# Allegro board 1140022-KU060_PCIE_FIBER_BOARD_V001_pcb166_20240120_1835_pcb.brd (continued)
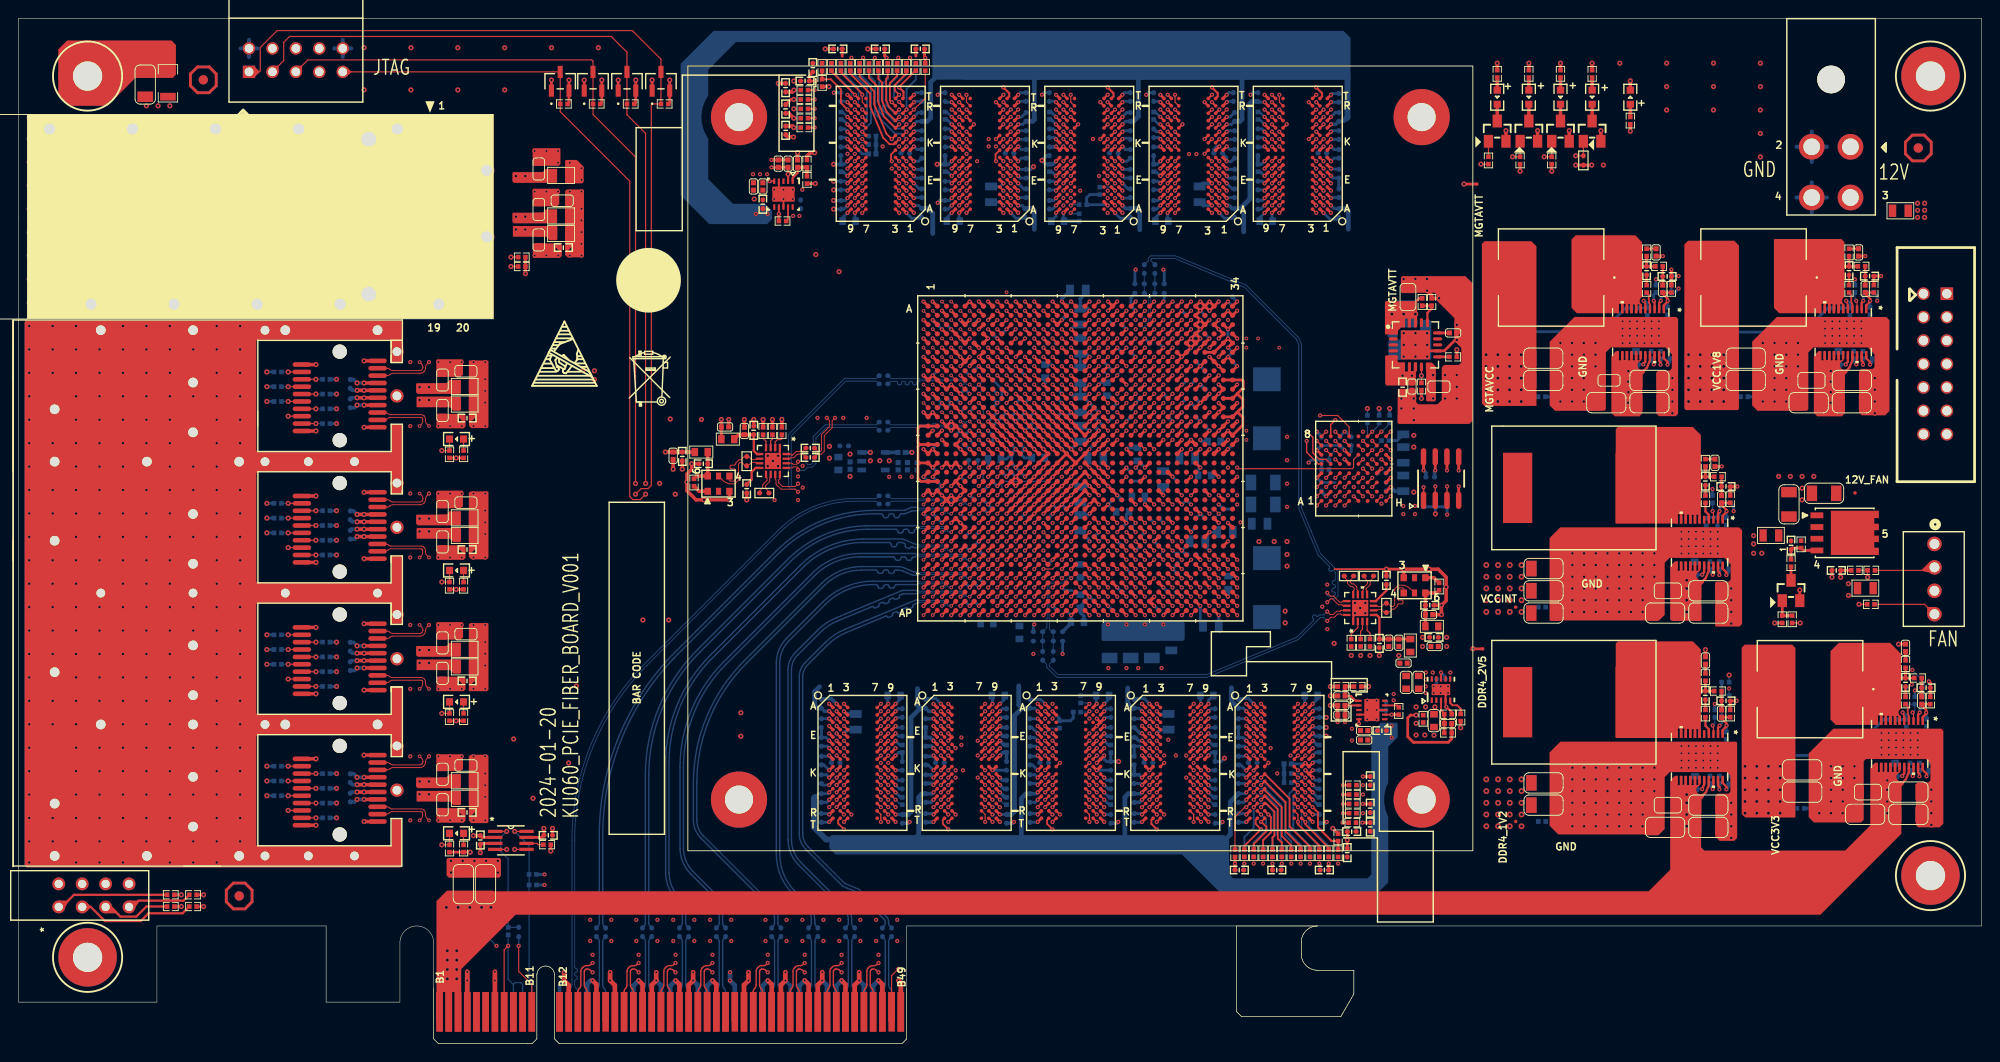
[diagram p0: board, top side]
## Routing (per net, layer and track width the routed paths; a pad name or vN(x,y) marks a point on that pad's centre or on a via; arc(x,y) is an arc through that point) (continued)
  GND13 w0.391: 194.39,95.58 J59.2 ; J59.2 196.04,97.23 ; J59.2 192.74,97.23 ; J59.2 194.39,98.88 ; 194.39,90.08 J59.4 ; J59.4 196.04,91.73 ; J59.4 194.39,93.38 ; J59.4 192.74,91.73 ; J1.10 36.08,107.9 ; J1.10 35.15,106.97 ; J1.10 34.23,107.9 ; J1.10 35.15,108.83 ; 24.07,107.9 J1.2 ; J1.2 24.99,108.83 ; J1.2 25.92,107.9 ; J1.2 24.99,106.97 ; J19.14 209.04,67 ; J19.14 208.1,66.06 ; J19.14 209.98,66.06 ; J19.14 209.04,65.12 ; 205.56,66.06 J19.13 ; J19.13 207.44,66.06 ; J19.13 206.5,67 ; J19.13 206.5,65.12 ; J19.2 209.04,82.24 ; J19.2 209.98,81.3 ; J19.2 208.1,81.3 ; J19.2 209.04,80.36
  BOTTOM w0.254: v1(123.78,99.67) 123.59,99.67 R115.2 ; R117.2 134.55,100.2 v1(135.08,99.67) ; R8.2 103.61,64.95 v1(103.11,65.45) ; v1(131.11,65.45) 130.93,65.28 C25.2
  BOTTOM w0.305: v1(130.98,98.07) 131.01,98.04 C262.2 ; C228.2 117.95,30.58 117.69,30.84 v1(117.69,31.23) ; C228.2 v3(119.25,30.58) ; C228.2 R78.1 ; C218.2 C215.2 132.74,33.18 v1(133.1,32.83) ; C158.2 127.64,67.92 v1(128.11,67.45) 127.61,66.95 C155.2 ; v1(95.09,31.23) 95.42,31.57 R70.1 C172.2 ; C200.2 121.76,24 v1(121.8,24.03) ; v1(148.75,62.34) 148.72,62.34 C18.2 ; R43.2 128.62,59.94 v1(129.11,59.45) ; v1(128.11,78.45) 128.61,77.95 C125.2 ; C20.2 143.25,65.84 v1(143.75,66.34) 143.92,66.34 C21.2 ; v1(122.25,102.87) 122.48,103.1 C284.2 ; R54.2 125.65,51.99 v1(125.11,51.45) C44.2 ; v1(135.08,91.67) 134.82,91.42 C274.2 ; C168.2 132.36,37.42 133.34,37.42 133.9,36.86 v1(133.9,36.83) ; C140.2 126.17,71.45 v1(126.11,71.45) ; v1(140.3,29.63) 140.31,29.64 C223.2 ; C150.2 128.61,72.95 v1(128.11,73.45) ; v1(95.09,35.23) 95.21,35.36 C178.2 ; R18.2 102.6,70.96 ; 102.6,70.96 v1(103.11,70.45) ; 102.6,70.96 102.6,70.94 v1(102.11,70.45) C164.1 ; R55.1 123.11,54.44 v1(123.11,54.45) ; v1(101.17,98.07) 101.01,98.23 C310.2 ; v1(95.09,28.83) 95.37,28.55 C173.2 ; R125.1 89.53,95.34 v1(89.87,95.67) ; R125.1 C295.2 ; R125.1 v3(88.37,95.34) ; v1(127.11,55.45) 127.11,55.51 C27.2 ; v1(124.11,75.45) 123.63,75.93 C55.2 ; C307.2 108.97,92.67 v1(108.37,93.27) ; C299.2 108.99,89.49 108.13,89.49 107.57,90.05 v1(107.57,90.07) ; C259.2 121.05,37.42 122.04,37.42 122.6,36.86 v1(122.6,36.83) ; C171.2 C177.2 87.53,33.18 v1(87.89,32.83) ; v1(101.11,77.45) 100.62,77.94 C130.2 ; v1(112.11,66.45) 111.67,66.89 C107.2 ; v1(108.11,66.45) 107.58,66.98 C113.2 ; v1(112.47,91.67) 112.22,91.42 C323.2 ; R111.1 140.63,31.57 v1(140.3,31.23) ; v1(130.98,94.07) 131.2,93.85 C270.2 ; C40.2 121.59,53.93 v1(121.11,53.45) C46.2 ; C275.2 134.85,93.5 v1(135.08,93.27) ; C204.2 129.28,28.55 v1(128.99,28.83) ; v1(104.11,47.45) 103.62,47.94 C149.2 ; v1(126.11,68.45) 125.61,67.95 C31.2 ; C116.2 110.58,66.92 v1(110.11,66.45) ; C308.2 100.94,93.5 v1(101.17,93.27) ; v1(117.69,35.23) 117.82,35.36 C235.2 ; v1(106.11,76.45) 105.62,76.94 C58.2 ; C166.1 v1(102.11,61.45) 102.6,60.96 R6.2 ; C267.2 123.62,98.23 v1(123.78,98.07) ; v1(95.09,27.23) 95.62,26.7 R69.2 ; v1(89.87,98.07) 89.71,98.23 C290.2 ; v1(142.28,102.87) 142.42,103.01 C283.2 ; v1(128.99,33.63) 129.3,33.33 C197.2 ; C246.2 v1(142.03,19.51) ; C2.2 121.57,60.98 R34.2 U1.Y24 v1(122.11,61.45) ; C304.2 106.44,92.94 v1(106.77,93.27) ; C143.2 100.64,69.92 v1(101.11,69.45) 100.59,68.94 C129.2 ; C233.2 110.72,31.01 v1(110.49,31.23) 110.41,31.15 C232.2 ; v1(130.11,58.45) R770.1 131.33,57.95 ; C324.2 112.24,93.5 v1(112.47,93.27) ; C320.2 112.32,98.23 v1(112.47,98.07) ; v1(95.09,33.63) 95.39,33.33 C174.2 ; C120.2 v1(116.11,60.45) ; v1(107.11,62.45) 107.11,62.42 C109.2 107.61,61.95 v1(108.11,61.45) ; v1(119.11,49.45) 119.61,48.95 C48.2 ; C160.1 103.62,51.94 v1(104.11,51.45) ; v1(97.07,98.07) 97.1,98.04 C294.2 ; v1(131.11,64.45) 131.59,64.94 R1259.2 ; v1(153.42,38.72) 153.74,39.04 C1281.2 ; U1.A7 v1(104.11,80.45) ; v1(108.37,94.07) 108.6,93.85 C306.2 ; R57.2 117.6,73.96 v1(118.11,73.45) 118.59,72.97 R25.2 ; R75.2 C225.2 116.82,36.9 v1(116.89,36.83) ; v1(109.11,58.45) 109.58,58.92 C111.2 ; v1(140.3,35.23) 140.43,35.36 C216.2 v3(141.76,35.36) ; C265.2 131.45,95.63 131.02,95.63 v1(130.98,95.67) 130.98,96.07 C263.2 ; C144.2 104.61,58.95 v1(105.11,58.45) 105.11,58.42 C123.2 ; 166.28,70.13 R909.1 ; C50.2 128.65,53.91 v1(129.11,53.45) ; C132.1 128.61,78.95 v1(128.11,79.45) ; v1(89.87,93.27) 89.64,93.5 C297.2 v3(88.37,93.5) ; v1(119.67,93.27) 120.27,92.67 C322.2 ; C33.2 v1(113.11,69.45) ; C196.2 128.12,36.9 v1(128.2,36.83) ; v1(119.67,102.87) 119.91,103.1 C326.2 ; v1(110.49,26.43) 110.21,26.15 C195.2 ; v1(127.11,58.45) R44.1 v1(126.11,58.45) ; C175.2 87.57,29.15 v1(87.89,28.83) ; v1(117.11,68.45) 116.64,68.92 C122.2 116.61,68.95 v1(116.11,69.45) 115.42,70.14 C119.2 ; C61.2 v1(130.11,46.45) ; C302.2 120.14,100.94 v1(119.67,100.47) ; v1(129.11,66.45) 128.64,66.92 C126.2 ; v1(128.99,27.23) 129.52,26.7 R77.2 ; C153.2 102.61,56.95 v1(102.11,57.45) ; C237.2 v1(135.94,19.51) ; v1(116.11,57.45) 115.97,57.32 C99.2 ; v1(121.11,83.91) 121.03,83.83 R64.1 ; v1(111.29,36.83) 110.81,37.31 109.65,37.31 C301.2 ; v1(49.28,87.46) 48.64,87.46 48.33,87.77 C360.2 ; C124.2 118.58,59.98 v1(118.11,60.45) ; C170.2 94.22,36.9 v1(94.29,36.83) ; C277.2 142.31,98.04 v1(142.28,98.07) ; v1(120.11,64.45) 120.24,64.58 C29.2 ; v1(128.99,35.23) 129.12,35.36 C205.2 ; C145.2 v1(102.11,66.45) ; C256.2 87.61,26.15 v1(87.89,26.43) ; C56.2 v1(121.11,74.45) ; R11.2 102.55,68.01 v1(102.11,68.45) C165.1 ; v1(90.67,90.07) 90.67,89.24 C287.2 ; R16.2 105.61,70.95 v1(106.11,70.45) ; v1(119.67,94.07) 119.9,93.85 C321.2 ; v1(124.58,90.07) 124.58,89.24 C261.2 ; C325.2 120.39,98.16 119.77,98.16 v1(119.67,98.07) ; v1(113.27,90.07) 113.27,89.24 C316.2 ; R122.2 111.94,100.2 v1(112.47,99.67) ; C163.1 102.59,73.94 v1(102.11,73.45) ; C212.2 132.82,26.15 v1(133.1,26.43) ; R118.1 134.75,95.34 v1(135.08,95.67) ; C264.2 123.55,93.5 v1(123.78,93.27) ; v1(128.99,31.23) 129.33,31.57 R79.1 C203.2 130.38,30.58 v3(130.73,30.94) ; C136.1 98.62,59.96 v1(98.11,59.45) ; C34.2 v1(120.11,77.45) ; v1(101.17,99.67) 100.64,100.2 R155.2 ; v1(97.07,93.27) 97.67,92.67 C289.2 ; v1(112.11,57.45) 111.61,56.96 R23.2 ; v1(109.11,69.45) 109.58,69.92 C115.2 ; v1(104.11,49.45) 103.62,49.94 C152.2 ; v1(106.11,68.45) 105.64,67.99 R14.2 105.61,67.96 v1(105.11,67.45) ; v1(140.3,28.83) 140.58,28.55 C222.2 ; v1(104.11,55.45) 103.61,54.95 C154.2 ; C131.2 99.62,72.96 v1(99.11,72.45) ; C221.2 133.06,24 v1(133.1,24.03) ; v1(110.11,57.45) 109.61,56.95 C103.2 ; v3(141.76,33.33) C219.2 140.6,33.33 v1(140.3,33.63) ; C318.2 120.19,95.67 v1(119.67,95.67) 119.21,96.14 C317.2 ; v1(135.88,90.07) 135.88,89.24 C273.2 ; 194.35,25.5 R903.2 ; v1(99.65,102.87) 99.88,103.1 C253.2 ; v1(97.07,94.07) 97.29,93.85 C291.2 ; v1(88.39,103.1) C209.2 ; C271.2 R116.1 123.44,95.34 v1(123.78,95.67) ; C333.2 v3(92.06,107.85) ; C57.2 115.11,47.45 v1(116.11,48.45) R48.1 ; v1(117.11,55.45) R46.2 ; C279.2 141.81,96.14 v1(142.28,95.67) 142.61,96 C278.2 ; C135.1 98.6,60.96 v1(98.11,61.45) U1.W1 ; v1(132.11,73.45) 131.62,73.94 R1258.2 ; C28.2 127.56,63.9 v1(128.11,64.45) ; v1(110.95,102.87) 111.18,103.1 C193.2 ; C266.2 131.21,103.1 v1(130.98,102.87) ; C364.2 48.71,92.26 v1(49.28,92.26) ; C138.1 98.6,56.96 v1(98.11,57.45) ; C230.2 109.85,34.28 v1(110.49,33.63) ; C133.1 99.23,64.59 v1(99.11,64.45) ; C114.2 v1(110.11,68.45) ; C281.2 134.92,98.23 v1(135.08,98.07) ; C247.2 v1(131.87,19.51) ; C60.2 v1(122.11,50.45) ; C151.2 v1(104.11,73.45) ; C43.2 v1(123.11,47.45) ; 188.23,70.13 R897.1 ; C117.2 112.58,59.92 v1(112.11,59.45) ; R65.2 v1(108.11,68.45) 107.64,67.99 C108.2 ; v1(124.11,56.45) 123.66,56.9 C30.2 ; C311.2 108.41,98.04 v1(108.37,98.07) ; v1(108.37,102.87) 108.6,103.1 C312.2 ; C7.2 U1.L28 v1(126.11,70.45) ; v1(98.11,70.45) 98.62,69.94 C137.1 ; v1(110.49,24.03) 110.46,24 C229.2 ; v1(101.17,95.67) 100.84,95.34 R157.1 ; v1(97.07,100.47) 97.54,100.94 C286.2 ; v1(105.11,62.45) 105.11,62.45 L152.1 ; C176.2 87.85,24 v1(87.89,24.03) ; R109.2 140.83,26.7 v1(140.3,27.23) ; v1(123.11,56.45) 122.6,56.96 R47.1 ; v1(105.11,60.45) 104.6,59.95 C142.2 ; C288.2 97.58,95.67 v1(97.07,95.67) 96.6,96.14 C293.2 ; C118.2 110.61,61.95 v1(110.11,61.45) ; C15.2 118.61,68.95 v1(119.11,69.45) 118.31,70.25 C32.2 ; C106.2 113.6,67.95 v1(114.11,68.45) ; v1(110.49,32.83) 110.14,33.18 C231.2 ; C292.2 97.3,103.1 v1(97.07,102.87) ; v1(108.37,100.47) 108.74,100.47 C272.2 ; R1241.2 v1(57.02,18.34) ; v1(104.11,50.45) 104.62,49.94 C10.2 ; v3(88.37,91.42) C296.2 89.61,91.42 v1(89.87,91.67) ; C180.2 87.81,31.15 v1(87.89,31.23) 88.11,31.01 C179.2 ; v1(101.97,90.07) 101.97,89.24 C305.2 ; v1(126.11,79.45) 126.31,79.25 R59.1 ; C24.2 127.89,62.23 v1(128.11,62.45) ; C309.2 100.92,91.42 v1(101.17,91.67) ; v1(126.11,48.45) U1.AM28 C41.2 ; v1(139.5,36.83) 139.43,36.9 C214.2 ; R45.2 119.62,55.96 v1(120.11,56.45) 120.11,57.37 C5.2 ; v1(102.11,64.45) 101.95,64.59 C157.2 ; v1(133.56,102.87) 133.78,103.1 C298.2 ; v1(142.28,94.07) 142.51,93.85 C280.2 C276.2 ; v1(124.11,83.91) 124.2,83.82 R63.1 ; R37.1 125.6,60.96 v1(125.11,61.45) 124.5,62.06 C4.2 ; C182.2 105.59,37.66 v1(105.59,36.83) ; C105.2 108.55,59.9 v1(108.11,59.45) ; v1(114.11,70.45) 114.42,70.14 C119.2 ; C224.2 133.32,31.01 v1(133.1,31.23) 133.02,31.15 C217.2 ; C347.2 131.35,100.47 v1(130.98,100.47) ; v1(128.11,73.45) 127.61,72.95 C148.2 ; v1(128.11,73.45) 127.67,73.89 C128.2 ; C119.2 C39.2 ; C220.2 132.78,29.15 v1(133.1,28.83) ; v1(110.49,28.83) 110.18,29.15 C226.2 ; v1(89.87,99.67) 89.34,100.2 R123.2 ; v1(113.19,42.24) R52.1 ; C313.2 107.9,96.14 v1(108.37,95.67) 108.7,96 C314.2 ; v1(130.18,90.07) 130.18,90.05 130.73,89.49 131.72,89.49 C208.2 ; v1(117.11,66.45) 116.61,65.95 C112.2 116.58,65.92 v1(116.11,65.45) C102.2 114.28,64.59 v1(114.11,64.45) 113.61,64.95 C104.2 ; C52.2 v1(120.11,46.45) ; v1(122.11,71.45) 121.6,70.94 C26.2 ; C210.2 120.42,89.49 119.43,89.49 118.87,90.05 v1(118.87,90.07) ; v1(96.27,90.07) 96.27,90.05 96.83,89.49 97.81,89.49 C285.2 ; C345.2 142.89,89.36 142.19,89.36 v1(141.48,90.07) ; C269.2 123.52,91.42 v1(123.78,91.67) ; v1(113.11,58.45) 113.58,57.98 C110.2 ; v1(148.75,60.34) 148.31,59.9 C19.2 ; C346.2 142.75,100.94 v1(142.28,100.47) ; v1(130.98,93.27) 131.58,92.67 C268.2 ; v1(111.11,71.45) R56.2 ; C159.2 103.61,53.95 v1(104.11,54.45) ; v1(126.11,69.45) 126.58,69.92 C141.2 ; C335.2 v3(87.45,107.85) ; v1(98.29,106.89) 98.22,106.96 C331.2 ; C14.2 v1(120.11,67.45) ; v1(117.69,28.83) 117.97,28.55 C227.2 ; R76.2 118.22,26.7 v1(117.69,27.23) ; C258.2 98.45,37.42 99.43,37.42 99.99,36.86 v1(99.99,36.83)
  BOTTOM w0.381: v1(106.39,35.23) 106.52,35.36 C187.2 ; C162.1 127.64,76.98 v1(128.11,77.45) ; C162.1 127.61,76.95 v1(127.11,76.45) 127.61,75.95 C147.2 ; C162.1 128.11,76.48 v1(128.11,76.45) ; v1(121.8,32.83) 121.45,32.83 121.09,33.18 C198.2 ; C1568.2 36.44,54.7 v3(36.71,54.97) v3(37.47,54.97) ; C11.2 104.61,52.95 v1(104.11,53.45) ; v1(111.11,71.45) 111.28,71.62 C35.2 ; C121.2 116.64,66.92 v1(117.11,66.45) ; C356.2 43.13,91.67 43.32,91.86 v1(44.04,91.86) ; C1570.2 36.33,57.75 v3(36.71,57.37) v3(37.47,57.37) ; v1(119.11,59.45) 119.55,59.01 C1495.2 ; C254.2 87.12,37.39 88.13,37.39 v1(88.69,36.83) ; v3(37.47,71.62) v3(36.71,71.62) 36.33,72 C378.2 ; C161.1 102.59,77.97 v1(102.11,78.45) ; U249.A18 64.65,6.32 v1(64.14,6.83) v1(64.14,7.72) ; v1(129.11,70.45) 128.64,69.98 C134.1 ; C59.2 127.62,52.94 v1(128.11,52.45) ; C57.2 115.11,46.74 115.5,46.35 C42.2 ; v1(112.11,47.45) 112.61,46.95 C36.2 ; v1(106.39,28.83) 106.67,28.55 C184.2 ; C319.2 111.46,96.27 v3(110.95,95.76) 111.37,95.34 R124.1 112.14,95.34 v1(112.47,95.67) ; v1(148.75,60.34) 149.2,59.89 C1488.2 ; C282.2 R118.1 ; R58.1 v1(113.11,78.45) ; v1(107.91,24.03) 107.77,23.89 C194.2 ; v1(99.19,26.43) 98.91,26.15 C255.2 ; v1(121.8,26.43) 121.52,26.15 C181.2 ; v1(106.39,31.23) 106.72,31.57 R72.1 C185.2 ; v1(129.38,93.27) 128.38,93.27 C260.2 ; v1(128.11,69.45) 127.64,69.92 C139.2 ; v1(121.8,31.23) 122.02,31.01 C206.2 ; C47.2 107.59,72.97 v1(107.11,73.45) ; C344.2 141.68,23.89 v1(141.82,24.03) ; C2512.1 v3(96.84,64.09) ; v1(99.19,24.03) 99.15,24 C192.2 ; v1(132.11,50.45) 131.87,50.68 C54.2 ; C309.2 99.9,91.42 v1(99.64,91.16) ; v1(83.13,7.72) v1(83.13,6.83) 83.65,6.32 U249.A37 ; v1(127.11,75.45) 126.64,74.98 C146.2 ; v1(122.11,58.45) 122.1,58.46 C13.2 ; v1(91.13,6.83) v1(91.13,7.72) ; v1(140.75,66.34) 141.25,65.84 C22.2 ; v1(147.22,36.17) 147.26,36.13 C332.1 ; C234.2 118,33.33 v1(117.69,33.63) ; C2509.2 36.44,26.2 v3(36.71,26.47) v3(37.47,26.47) ; C1576.2 36.33,43.5 v3(36.71,43.12) v3(37.47,43.12) ; C1574.2 36.44,40.45 v3(36.71,40.72) v3(37.47,40.72) ; v1(111.11,50.45) U1.AK14 C51.2 ; v1(87.13,6.83) v1(87.13,7.72) ; v1(119.22,24.03) 119.08,23.89 C167.2 ; C2511.2 36.33,29.25 v3(36.71,28.87) v3(37.47,28.87) ; v1(99.19,28.83) 98.88,29.15 C191.2 ; C23.2 141.25,59.84 v1(141.75,59.34) ; C207.2 96.47,23.89 v1(96.61,24.03) ; v1(130.52,24.03) 130.38,23.89 C300.2 ; v3(99.59,95.34) R157.1 C315.2 ; v1(73.13,6.83) v1(73.13,7.72) ; C202.2 121.59,33.63 v1(121.8,33.63) ; C127.2 128.61,70.95 v1(128.11,71.45) ; v1(89.49,33.63) 89.89,34.04 C213.2 ; C169.2 123.8,34.04 v1(123.4,33.63) ; R71.2 106.92,26.7 v1(106.39,27.23) ; U249.A12 58.65,6.34 v1(59.14,6.83) v1(59.14,7.72) ; v1(102.11,76.45) 102.59,75.96 C156.2 ; v1(69.13,6.83) v1(69.13,7.72) ; C189.2 C190.2 98.84,33.18 v1(99.19,32.83) ; C183.2 106.69,33.33 v1(106.39,33.63) ; C1473.2 153.5,62.06 v1(153.58,62.14) ; C374.2 36.44,68.95 v3(36.71,69.22) v3(37.47,69.22) ; C199.2 C201.2 121.48,29.15 v1(121.8,28.83) ; C186.2 99.42,31.01 v1(99.19,31.23) 99.11,31.15 C188.2 ; v1(116.11,79.45) 115.89,79.67 C38.2 115.11,80.77 115.69,81.35 C53.2 ; C316.2 R121.2
  BOTTOM w0.432: 34.23,107.9 J1.10 ; J1.10 36.08,107.9 ; J1.10 35.15,106.97 ; J1.10 35.15,108.83 ; 194.39,95.58 J59.2 ; J59.2 194.39,98.88 ; J59.2 196.04,97.23 ; J59.2 192.74,97.23 ; 24.99,106.97 J1.2 ; J1.2 25.92,107.9 ; J1.2 24.99,108.83 ; J1.2 24.07,107.9 ; J59.4 196.04,91.73 ; J59.4 194.39,90.08 ; J59.4 192.74,91.73 ; J59.4 194.39,93.38
  BOTTOM w0.508: v1(73.13,6.83) 73.65,6.32 U249.A27 ; U249.A34 80.65,6.25 v1(81.23,6.83) ; U249.A41 87.65,6.32 v1(87.13,6.83) ; v1(85.23,6.83) 84.65,6.25 U249.A38 ; v1(95.39,6.83) 95.65,6.57 U249.A49 ; v1(62.23,6.83) 62.03,6.83 61.65,6.45 U249.A15 ; U249.A31 77.65,6.32 v1(77.13,6.83) v1(77.13,7.72) ; U249.A4 v1(48.65,6.84) v1(48.65,7.78) ; v1(91.13,6.83) 91.65,6.32 U249.A45 ; v1(75.23,6.83) 74.65,6.25 U249.A28 ; U249.A24 70.65,6.25 v1(71.23,6.83) ; v1(93.23,6.83) 92.65,6.25 U249.A46 ; v1(67.23,6.83) 66.65,6.25 U249.A20 ; U249.A42 88.65,6.25 v1(89.23,6.83) ; U249.A23 69.65,6.32 v1(69.13,6.83)
  vias: v1(42.47,73.89) v1(42.47,66.95) v1(42.47,59.64) v1(42.47,52.7) v1(42.47,45.39) v1(42.47,38.45) v1(42.47,31.14) v1(42.47,24.2) v1(45.52,73.89) v1(45.52,66.95) v1(45.52,59.64) v1(45.52,52.7) v1(45.52,45.39) v1(45.52,38.45) v1(45.52,31.14) v1(45.52,24.2) v1(46.79,73.89) v1(46.79,66.95) v1(46.79,59.64) v1(46.79,52.7) v1(46.79,45.39) v1(46.79,38.45) v1(46.79,31.14) v1(46.79,24.2) v1(48.06,73.89) v1(48.06,66.95) v1(48.06,59.64) v1(48.06,52.7) v1(48.06,45.39) v1(48.06,38.45) v1(48.06,31.14) v1(48.06,24.2) v1(55.96,96.78) v1(55.96,92.38) v1(55.96,85.44) v1(57.23,96.78) v1(57.23,92.38) v1(57.23,85.44) v1(58.5,96.78) v1(58.5,95.51) v1(58.5,92.38) v1(58.5,85.44) v1(61.98,13.41) v1(61.98,11.13) v1(62.23,9.63) v1(64.26,13.41) v1(64.26,11.13) v1(66.98,13.41) v1(66.98,11.13) v1(67.23,9.63) v1(69.26,13.41) v1(69.26,11.13) v1(70.98,13.41) v1(70.98,11.13) v1(71.23,9.63) v1(73.26,13.41) v1(73.26,11.13) v1(74.98,13.41) v1(74.98,11.13) v1(75.23,9.63) v1(77.26,13.41) v1(77.26,11.13) v1(80.98,13.41) v1(80.98,11.13) v1(81.23,9.63) v1(81.92,92.58) v1(81.92,91.57) v1(81.97,58.93) v1(82.93,92.58) v1(82.93,91.57) v1(83.26,13.41) v1(83.26,11.13) v1(83.95,92.58) v1(83.95,91.57) v1(84.51,61.49) v1(84.51,58.93) v1(84.96,92.58) v1(85.01,62.64) v1(85.01,60.27) v1(84.98,13.41) v1(84.98,11.13) v1(85.23,9.63) v1(86.61,67.84) v1(87.26,13.41) v1(87.26,11.13) v1(88.98,13.41) v1(88.98,11.13) v1(89.23,9.63) v1(89.41,67.84) v1(89.87,96.47) v1(90.67,96.47) v1(91.26,13.41) v1(91.26,11.13) v1(91.95,67.84) v1(92.98,13.41) v1(92.98,11.13) v1(93.23,9.63) v1(93.49,30.43) v1(93.68,97.27) v1(94.29,30.43) v1(94.67,94.87) v1(95.26,13.41) v1(95.26,11.13) v1(95.47,97.27) v1(101.59,29.63) v1(101.59,28.83) v1(102.21,33.19) v1(102.21,32.38) v1(102.39,29.63) v1(102.77,96.47) v1(103.91,95.67) v1(103.99,32.83) v1(103.99,31.23) v1(103.99,28.83) v1(105.17,98.07) v1(105.17,97.27) v1(105.97,97.27) v1(106.77,97.27) v1(110.01,42.24) v1(111.29,35.23) v1(112.09,36.83) v1(112.09,35.23) v1(113.27,91.67) v1(113.27,90.87) v1(114.07,92.47) v1(114.07,91.67) v1(114.11,52.45) v1(115.09,92.47) v1(116.09,35.23) v1(116.09,29.63) v1(116.47,98.07) v1(116.89,36.03) v1(117.13,94.07) v1(118.07,92.47) v1(118.07,91.67) v1(118.07,90.07) v1(118.11,77.45) v1(118.14,40.71) v1(118.87,91.67) v1(120.11,40.71) v1(121.11,78.45) v1(121.11,77.45) v1(121.38,40.71) v1(123.92,40.71) v1(124.2,31.23) v1(124.64,32.94) v1(125.47,31.23) v1(126.59,31.23) v1(126.59,28.83) v1(126.89,96.44) v1(127.39,30.43) v1(127.69,96.44) v1(131.11,62.45) v1(131.11,59.45) v1(132.11,59.45) v1(132.11,58.45) v1(132.46,56.52) v1(135.74,32.03) v1(136.45,29.29) v1(137.9,31.23) v1(141.33,47.37) v1(141.87,49.76) v1(141.87,44.94) v1(144.75,60.34) v1(145.75,66.34) v1(145.75,60.34) v1(146.2,37.19) v1(146.2,36.17) v1(146.2,35.15) v1(147.22,37.19) v1(147.22,35.15) v1(147.75,58.54) v1(152.55,38.72) v1(152.55,38.01) v1(153.42,38.01) v1(154.18,38.72) v1(154.18,38.01) v1(154.97,38.72) v1(173.89,78.31) v1(173.89,77.52) v1(173.89,76.73) v1(173.89,75.95) v1(174.68,78.31) v1(174.68,77.52) v1(174.68,76.73) v1(174.68,75.95) v1(175.46,78.31) v1(175.46,77.52) v1(175.46,76.73) v1(175.46,75.95) v1(176.25,78.31) v1(176.25,77.52) v1(176.25,76.73) v1(176.25,75.95) v1(177.04,78.31) v1(177.04,77.52) v1(177.04,76.73) v1(177.04,75.95) v1(177.83,78.31) v1(177.83,77.52) v1(177.83,76.73) v1(177.83,75.95) v1(180.27,55.5) v1(180.27,54.71) v1(180.27,53.92) v1(180.27,53.14) v1(180.27,32.26) v1(180.27,31.47) v1(180.27,30.68) v1(180.27,29.9) v1(181.05,55.5) v1(181.05,54.71) v1(181.05,53.92) v1(181.05,53.14) v1(181.05,32.26) v1(181.05,31.47) v1(181.05,30.68) v1(181.05,29.9) v1(181.84,55.5) v1(181.84,54.71) v1(181.84,53.92) v1(181.84,53.14) v1(181.84,32.26) v1(181.84,31.47) v1(181.84,30.68) v1(181.84,29.9) v1(182.63,55.5) v1(182.63,54.71) v1(182.63,53.92) v1(182.63,53.14) v1(182.63,32.26) v1(182.63,31.47) v1(182.63,30.68) v1(182.63,29.9) v1(183.42,55.5) v1(183.42,54.71) v1(183.42,53.92) v1(183.42,53.14) v1(183.42,32.26) v1(183.42,31.47) v1(183.42,30.68) v1(183.42,29.9) v1(184.2,55.5) v1(184.2,54.71) v1(184.2,53.92) v1(184.2,53.14) v1(184.2,32.26) v1(184.2,31.47) v1(184.2,30.68) v1(184.2,29.9) v1(195.83,78.31) v1(195.83,77.52) v1(195.83,76.73) v1(195.83,75.95) v1(196.62,78.31) v1(196.62,77.52) v1(196.62,76.73) v1(196.62,75.95) v1(197.41,78.31) v1(197.41,77.52) v1(197.41,76.73) v1(197.41,75.95) v1(198.2,78.31) v1(198.2,77.52) v1(198.2,76.73) v1(198.2,75.95) v1(198.98,78.31) v1(198.98,77.52) v1(198.98,76.73) v1(198.98,75.95) v1(199.77,78.31) v1(199.77,77.52) v1(199.77,76.73) v1(199.77,75.95) v1(201.96,33.67) v1(201.96,32.89) v1(201.96,32.1) v1(201.96,31.31) v1(202.74,33.67) v1(202.74,32.89) v1(202.74,32.1) v1(202.74,31.31) v1(203.53,33.67) v1(203.53,32.89) v1(203.53,32.1) v1(203.53,31.31) v1(204.32,33.67) v1(204.32,32.89) v1(204.32,32.1) v1(204.32,31.31) v1(205.1,33.67) v1(205.1,32.89) v1(205.1,32.1) v1(205.1,31.31) v1(205.89,33.67) v1(205.89,32.89) v1(205.89,32.1) v1(205.89,31.31) v2(107.11,81.45) v2(133.11,76.45) v2(133.11,75.45) v2(134.38,76.45) v2(136.66,75.45) v3(1.17,100.41) v3(1.17,98.12) v3(1.17,95.58) v3(1.17,93.04) v3(1.17,90.5) v3(1.17,87.96) v3(1.17,85.42) v3(1.17,82.88) v3(1.17,80.34) v3(1.17,77.8) v3(1.17,75.26) v3(1.17,72.72) v3(1.17,70.18) v3(1.17,67.64) v3(1.17,65.1) v3(1.17,62.56) v3(1.17,60.02) v3(1.17,57.48) v3(1.17,54.94) v3(1.17,52.4) v3(1.17,49.86) v3(1.17,47.32) v3(1.17,44.78) v3(1.17,42.24) v3(1.17,39.7) v3(1.17,37.16) v3(1.17,34.62) v3(1.17,32.08) v3(1.17,29.54) v3(1.17,27) v3(1.17,24.46) v3(1.17,21.92) v3(1.17,19.63) v3(3.71,95.58) v3(3.71,93.04) v3(3.71,90.5) v3(3.71,87.96) v3(3.71,85.42) v3(3.71,82.88) v3(3.71,80.34) v3(3.71,77.8) v3(3.71,75.26) v3(3.71,72.72) v3(3.71,65.1) v3(3.71,60.02) v3(3.71,57.48) v3(3.71,52.4) v3(3.71,49.86) v3(3.71,47.32) v3(3.71,44.78) v3(3.71,42.24) v3(3.71,37.16) v3(3.71,34.62) v3(3.71,24.46) v3(3.71,21.92) v3(6.25,100.41) v3(6.25,98.12) v3(6.25,95.58) v3(6.25,93.04) v3(6.25,90.5) v3(6.25,87.96) v3(6.25,85.42) v3(6.25,82.88) v3(6.25,80.34) v3(6.25,77.8) v3(6.25,75.26) v3(6.25,72.72) v3(6.25,70.18) v3(6.25,67.64) v3(6.25,65.1) v3(6.25,62.56) v3(6.25,60.02) v3(6.25,57.48) v3(6.25,54.94) v3(6.25,52.4) v3(6.25,49.86) v3(6.25,47.32) v3(6.25,44.78) v3(6.25,42.24) v3(6.25,39.7) v3(6.25,37.16) v3(6.25,34.62) v3(6.25,32.08) v3(6.25,29.54) v3(6.25,27) v3(6.25,24.46) v3(6.25,21.92) v3(6.25,19.63) v3(8.79,100.41) v3(8.79,98.12) v3(8.79,95.58) v3(8.79,93.04) v3(8.79,90.5) v3(8.79,87.96) v3(8.79,85.42) v3(8.79,82.88) v3(8.79,75.26) v3(8.79,72.72) v3(8.79,70.18) v3(8.79,67.64) v3(8.79,65.1) v3(8.79,62.56) v3(8.79,60.02) v3(8.79,57.48) v3(8.79,54.94) v3(8.79,52.4) v3(8.79,47.32) v3(8.79,44.78) v3(8.79,42.24) v3(8.79,39.7) v3(8.79,37.16) v3(8.79,32.08) v3(8.79,29.54) v3(8.79,27) v3(8.79,24.46) v3(8.79,21.92) v3(8.79,19.63) v3(11.33,100.41) v3(11.33,98.12) v3(11.33,95.58) v3(11.33,93.04) v3(11.33,90.5) v3(11.33,87.96) v3(11.33,85.42) v3(11.33,82.88) v3(11.33,80.34) v3(11.33,77.8) v3(11.33,75.26) v3(11.33,72.72) v3(11.33,70.18) v3(11.33,67.64) v3(11.33,65.1) v3(11.33,62.56) v3(11.33,60.02) v3(11.33,57.48) v3(11.33,54.94) v3(11.33,52.4) v3(11.33,49.86) v3(11.33,47.32) v3(11.33,44.78) v3(11.33,42.24) v3(11.33,39.7) v3(11.33,37.16) v3(11.33,34.62) v3(11.33,32.08) v3(11.33,29.54) v3(11.33,27) v3(11.33,24.46) v3(11.33,21.92) v3(11.33,19.63) v3(13.87,101.68) v3(13.87,100.41) v3(13.87,98.12) v3(13.87,95.58) v3(13.87,93.04) v3(13.87,90.5) v3(13.87,87.96) v3(13.87,85.42) v3(13.87,82.88) v3(13.87,80.34) v3(13.87,77.8) v3(13.87,75.26) v3(13.87,72.72) v3(13.87,70.18) v3(13.87,67.64) v3(13.87,65.1) v3(13.87,60.02) v3(13.87,57.48) v3(13.87,54.94) v3(13.87,52.4) v3(13.87,49.86) v3(13.87,47.32) v3(13.87,44.78) v3(13.87,42.24) v3(13.87,39.7) v3(13.87,37.16) v3(13.87,34.62) v3(13.87,32.08) v3(13.87,29.54) v3(13.87,27) v3(13.87,24.46) v3(13.87,21.92) v3(15.14,101.68) v3(16.41,101.68) v3(16.41,100.41) v3(16.41,98.12) v3(16.41,95.58) v3(16.41,93.04) v3(16.41,90.5) v3(16.41,87.96) v3(16.41,85.42) v3(16.41,82.88) v3(16.41,77.8) v3(16.41,75.26) v3(16.41,72.72) v3(16.41,70.18) v3(16.41,67.64) v3(16.41,65.1) v3(16.41,62.56) v3(16.41,60.02) v3(16.41,57.48) v3(16.41,54.94) v3(16.41,52.4) v3(16.41,49.86) v3(16.41,47.32) v3(16.41,44.78) v3(16.41,42.24) v3(16.41,39.7) v3(16.41,37.16) v3(16.41,34.62) v3(16.41,32.08) v3(16.41,29.54) v3(16.41,27) v3(16.41,24.46) v3(16.41,21.92) v3(16.41,19.63) v3(18.95,100.41) v3(18.95,98.12) v3(18.95,95.58) v3(18.95,93.04) v3(18.95,90.5) v3(18.95,87.96) v3(18.95,85.42) v3(18.95,82.88) v3(18.95,80.34) v3(18.95,75.26) v3(18.95,70.18) v3(18.95,62.56) v3(18.95,60.02) v3(18.95,54.94) v3(18.95,47.32) v3(18.95,44.78) v3(18.95,39.7) v3(18.95,32.08) v3(18.95,27) v3(18.95,21.92) v3(18.95,19.63) v3(21.49,95.58) v3(21.49,93.04) v3(21.49,90.5) v3(21.49,87.96) v3(21.49,85.42) v3(21.49,82.88) v3(21.49,80.34) v3(21.49,77.8) v3(21.49,75.26) v3(21.49,72.72) v3(21.49,70.18) v3(21.49,67.64) v3(21.49,65.1) v3(21.49,62.56) v3(21.49,60.02) v3(21.49,57.48) v3(21.49,54.94) v3(21.49,52.4) v3(21.49,49.86) v3(21.49,47.32) v3(21.49,44.78) v3(21.49,42.24) v3(21.49,39.7) v3(21.49,37.16) v3(21.49,34.62) v3(21.49,32.08) v3(21.49,29.54) v3(21.49,27) v3(21.49,24.46) v3(21.49,21.92) v3(21.49,19.63) v3(24.03,100.41) v3(24.03,98.12) v3(24.03,95.58) v3(24.03,93.04) v3(24.03,90.5) v3(24.03,87.96) v3(24.03,85.42) v3(24.03,82.88) v3(24.03,80.34) v3(24.03,77.8) v3(24.03,75.26) v3(24.03,72.72) v3(24.03,70.18) v3(24.03,67.64) v3(24.03,65.1) v3(24.03,60.02) v3(24.03,57.48) v3(24.03,54.94) v3(24.03,52.4) v3(24.03,49.86) v3(24.03,47.32) v3(24.03,44.78) v3(24.03,42.24) v3(24.03,39.7) v3(24.03,37.16) v3(24.03,34.62) v3(24.03,32.08) v3(24.03,29.54) v3(24.03,27) v3(24.03,24.46) v3(24.03,21.92) v3(26.57,98.12) v3(26.57,95.58) v3(26.57,93.04) v3(26.57,90.5) v3(26.57,87.96) v3(26.57,85.42) v3(26.57,82.88) v3(29.11,98.12) v3(29.11,95.58) v3(29.11,93.04) v3(29.11,90.5) v3(29.11,87.96) v3(29.11,85.42) v3(29.11,82.88) v3(29.11,80.34) v3(31.65,98.12) v3(31.65,95.58) v3(31.65,93.04) v3(31.65,90.5) v3(31.65,87.96) v3(31.65,85.42) v3(31.65,82.88) v3(31.65,80.34) v3(34.19,98.12) v3(34.19,95.58) v3(34.19,93.04) v3(34.19,90.5) v3(34.19,87.96) v3(34.19,85.42) v3(34.19,82.88) v3(37.47,107.98) v3(37.47,103.4) v3(42.55,107.98) v3(42.55,103.4) v3(46.89,19.81) v3(46.89,18.54) v3(47.62,107.98) v3(47.62,103.4) v3(48.16,19.81) v3(49.43,19.81) v3(50.7,19.81) v3(51.97,19.81) v3(51.97,18.54) v3(52.7,107.98) v3(52.7,103.4) v3(53.67,33.02) v3(55.78,26.59) v3(57.78,107.98) v3(59.64,30.43) v3(60.48,38.76) v3(61.16,72.95) v3(62.87,107.98) v3(67.69,45.92) v3(69.51,60.73) v3(70.48,45.92) v3(70.66,67.72) v3(71.2,59.56) v3(74.04,67.67) v3(78.31,35.86) v3(78.31,33.32) v3(79.76,91.57) v3(81.23,63.73) v3(81.23,62.61) v3(81.79,63.17) v3(82.35,62.61) v3(86.44,85.55) v3(88.95,83.69) v3(90.14,63.91) v3(92.35,63.2) v3(93.37,63.2) v3(94.39,63.2) v3(137.31,46.89) v3(137.31,45.62) v3(142.62,43.38) v3(144.48,42.08) v3(144.88,47.78) v3(145.44,47.22) v3(145.49,42.08) v3(146,47.78) v3(146,46.66) v3(146.51,42.08) v3(147.52,42.08) v3(149.63,42.08) v3(149.91,69.94) v3(149.91,68.86) v3(150.15,82.91) v3(150.16,77.03) v3(150.16,75.76) v3(150.16,74.49) v3(151.25,69.94) v3(151.25,68.86) v3(151.25,67.59) v3(151.25,59.79) v3(151.42,82.91) v3(151.43,77.03) v3(151.43,74.49) v3(151.51,34.72) v3(151.51,33.45) v3(152.21,44.05) v3(152.21,43.05) v3(152.45,33.45) v3(152.69,82.91) v3(152.7,77.03) v3(152.7,75.76) v3(152.7,74.49) v3(153.44,33.43) v3(154.65,72.48) v3(154.65,69.94) v3(155.92,77.93) v3(155.92,72.48) v3(155.92,71.21) v3(155.92,69.94) v3(167.14,75.96) v3(167.14,69.61) v3(168.41,75.96) v3(168.41,74.69) v3(168.41,73.42) v3(168.41,72.15) v3(168.41,70.88) v3(168.41,69.61) v3(168.44,53.15) v3(168.44,51.88) v3(168.44,50.61) v3(168.44,49.34) v3(168.44,48.07) v3(168.44,46.8) v3(168.44,29.91) v3(168.44,28.64) v3(168.44,27.37) v3(168.44,26.1) v3(168.44,24.83) v3(168.44,23.56) v3(169.68,75.96) v3(169.68,74.69) v3(169.68,73.42) v3(169.68,72.15) v3(169.68,70.88) v3(169.68,69.61) v3(169.71,53.15) v3(169.71,51.88) v3(169.71,50.61) v3(169.71,49.34) v3(169.71,48.07) v3(169.71,46.8) v3(169.71,29.91) v3(169.71,28.64) v3(169.71,27.37) v3(169.71,26.1) v3(169.71,24.83) v3(169.71,23.56) v3(170.95,75.96) v3(170.95,74.69) v3(170.95,73.42) v3(170.98,53.15) v3(170.98,51.88) v3(170.98,50.61) v3(170.98,49.34) v3(170.98,48.07) v3(170.98,46.8) v3(170.98,29.91) v3(170.98,28.64) v3(170.98,27.37) v3(170.98,26.1) v3(170.98,24.83) v3(170.98,23.56) v3(172.25,53.15) v3(172.25,51.88) v3(172.25,50.61) v3(172.25,49.34) v3(172.25,48.07) v3(172.25,46.8) v3(172.25,29.91) v3(172.25,28.64) v3(172.25,27.37) v3(172.25,26.1) v3(172.25,24.83) v3(172.25,23.56) v3(173.52,53.15) v3(173.52,51.88) v3(173.52,50.61) v3(173.52,49.34) v3(173.52,48.07) v3(173.52,46.8) v3(173.52,29.91) v3(173.52,28.64) v3(173.52,27.37) v3(173.52,26.1) v3(173.52,24.83) v3(173.52,23.56) v3(173.58,106.3) v3(174.79,53.15) v3(174.79,51.88) v3(174.79,50.61) v3(174.79,49.34) v3(174.79,48.07) v3(174.79,46.8) v3(174.79,29.91) v3(174.79,28.64) v3(174.79,27.37) v3(174.79,26.1) v3(174.79,24.83) v3(174.79,23.56) v3(176.06,53.15) v3(176.06,51.88) v3(176.06,50.61) v3(176.06,49.34) v3(176.06,48.07) v3(176.06,46.8) v3(176.06,29.91) v3(176.06,28.64) v3(176.06,27.37) v3(176.06,26.1) v3(176.06,24.83) v3(176.06,23.56) v3(177.33,53.15) v3(177.33,51.88) v3(177.33,50.61) v3(177.33,29.91) v3(177.33,28.64) v3(177.33,27.37) v3(178.66,106.3) v3(178.66,103.76) v3(178.66,101.22) v3(179.29,72.15) v3(179.29,70.88) v3(179.29,69.61) v3(179.29,68.34) v3(183.74,106.3) v3(183.74,103.76) v3(183.74,101.22) v3(185.66,49.34) v3(185.66,48.07) v3(185.66,46.8) v3(185.66,45.53) v3(185.66,26.1) v3(185.66,24.83) v3(185.66,23.56) v3(185.66,22.29) v3(188.82,106.3) v3(188.82,103.76) v3(188.82,101.22) v3(188.82,98.68) v3(188.82,96.14) v3(189.09,75.96) v3(189.09,69.61) v3(190.36,75.96) v3(190.36,74.69) v3(190.36,73.42) v3(190.36,72.15) v3(190.36,70.88) v3(190.36,69.61) v3(190.8,61.49) v3(191.63,75.96) v3(191.63,74.69) v3(191.63,73.42) v3(191.63,72.15) v3(191.63,70.88) v3(191.63,69.61) v3(192.07,61.49) v3(192.9,75.96) v3(192.9,74.69) v3(192.9,73.42) v3(193.34,61.49) v3(193.34,60.22) v3(193.34,58.95) v3(194.61,61.49) v3(195.21,24.98) v3(196.48,30.06) v3(196.48,28.79) v3(196.48,27.52) v3(196.48,26.25) v3(196.48,24.98) v3(197.75,30.06) v3(197.75,28.79) v3(197.75,27.52) v3(197.75,26.25) v3(197.75,24.98) v3(198.37,49.86) v3(198.37,48.59) v3(199.02,30.06) v3(199.02,28.79) v3(201.23,72.15) v3(201.23,70.88) v3(201.23,69.61) v3(201.23,68.34) v3(207.35,27.52) v3(207.35,26.25) v3(207.35,24.98) v3(207.35,23.71)
